# KiCad board gmsl-serializer.kicad_pcb (continued)
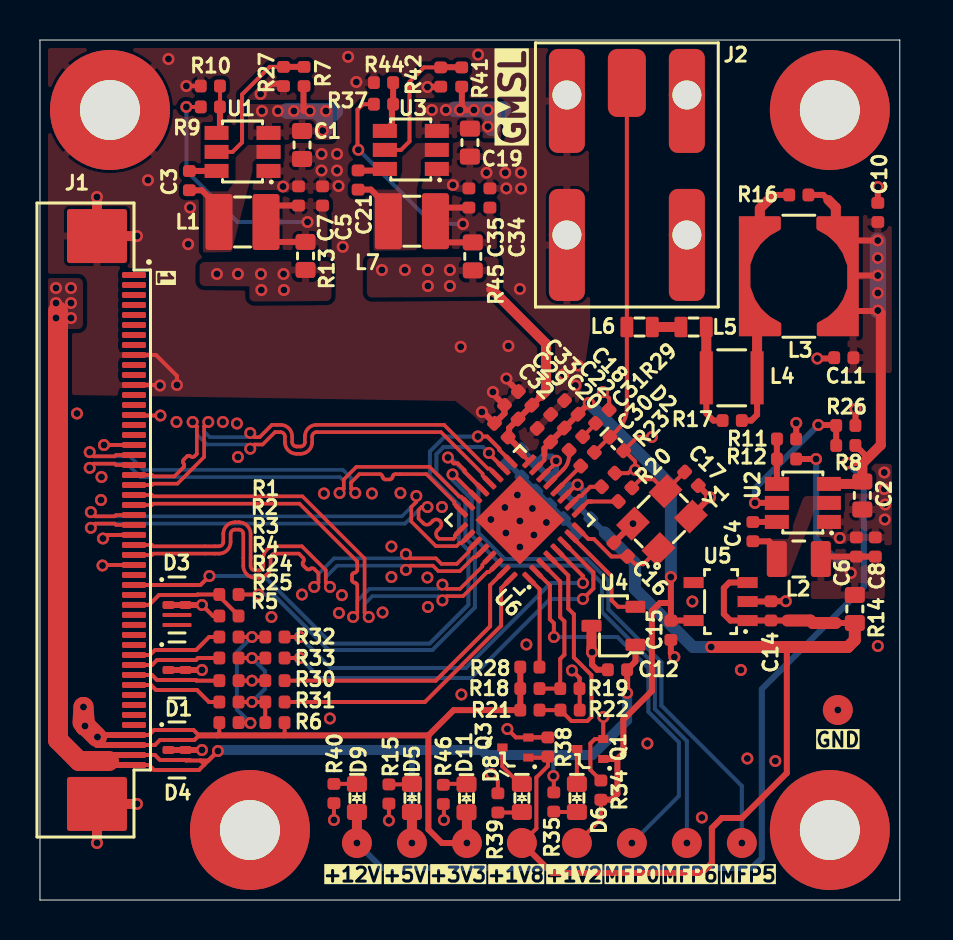
[diagram p0: board, top side]
## Library data of the parts (continued)
R29 = -: Datasheet: https://www.bourns.com/docs/product-datasheets/cr.pdf; Author: Antmicro; License: Apache-2.0; MPN: CR0402-FX-51R0GLF; Manufacturer: Bourns; Tolerance: 1%; Val: 51R; Field10: Author: Antmicro; Field11: License: Apache-2.0
R30 R33 = -: Datasheet: https://industrial.panasonic.com/cdbs/www-data/pdf/RDA0000/AOA0000C301.pdf; Author: Antmicro; Current: 1A; License: Apache-2.0; MPN: ERJ2GE0R00X; Manufacturer: Panasonic; Val: 0R; Field11: Author: Antmicro; Field13: License: Apache-2.0
R31 = -: Datasheet: https://industrial.panasonic.com/cdbs/www-data/pdf/RDA0000/AOA0000C301.pdf; Author: Antmicro; Current: 1A; License: Apache-2.0; MPN: ERJ2GE0R00X; Manufacturer: Panasonic; Val: 0R; Field11: License: Apache-2.0; Field13: Author: Antmicro
R32 = -: Datasheet: https://industrial.panasonic.com/cdbs/www-data/pdf/RDA0000/AOA0000C301.pdf; Author: Antmicro; Current: 1A; License: Apache-2.0; MPN: ERJ2GE0R00X; Manufacturer: Panasonic; Val: 0R; Field12: Author: Antmicro; Field13: License: Apache-2.0
R34 = -: Datasheet: https://www.bourns.com/docs/product-datasheets/cr.pdf; Author: Antmicro; License: Apache-2.0; MPN: CR0402-FX-1003GLF; Manufacturer: Bourns; Tolerance: 1%; Val: 100k; Field10: License: Apache-2.0; Field11: Author: Antmicro
R35 = -: Datasheet: https://www.bourns.com/docs/product-datasheets/cr.pdf; Author: Antmicro; License: Apache-2.0; MPN: CR0402-FX-4700GLF; Manufacturer: Bourns; Tolerance: 1%; Val: 470R; Field10: License: Apache-2.0; Field12: Author: Antmicro
R37 = -: Datasheet: https://www.bourns.com/docs/product-datasheets/cr.pdf; Description: SMD Chip Resistor; MPN: CR0402-FX-3162GLF; Manufacturer: Bourns; License: Apache-2.0; Author: Antmicro; Val: 31k6; Tolerance: 1%; Field10: Author: Antmicro; Field12: License: Apache-2.0
R38 = -: Datasheet: https://www.bourns.com/docs/product-datasheets/cr.pdf; Author: Antmicro; License: Apache-2.0; MPN: CR0402-FX-1003GLF; Manufacturer: Bourns; Tolerance: 1%; Val: 100k; Field10: Author: Antmicro; Field12: License: Apache-2.0
R39 = -: Datasheet: https://www.bourns.com/docs/product-datasheets/cr.pdf; Author: Antmicro; License: Apache-2.0; MPN: CR0402-FX-4700GLF; Manufacturer: Bourns; Tolerance: 1%; Val: 470R; Field10: Author: Antmicro; Field11: License: Apache-2.0
R40 = -: Datasheet: https://www.farnell.com/datasheets/3795017.pdf; Author: Antmicro; License: Apache-2.0; MPN: RC0402FR-071K65L; Manufacturer: YAGEO; Tolerance: 1%; Val: 1k65; Field11: License: Apache-2.0; Field13: Author: Antmicro
R41 = -: Datasheet: https://www.bourns.com/docs/product-datasheets/cr.pdf; MPN: CR0402-FX-1002GLF; Manufacturer: Bourns; License: Apache-2.0; Author: Antmicro; Val: 10k; Tolerance: 1%; Field10: License: Apache-2.0; Field11: Author: Antmicro
R42 = -: Datasheet: https://www.bourns.com/docs/product-datasheets/cr.pdf; MPN: CR0402-FX-1002GLF; Manufacturer: Bourns; License: Apache-2.0; Author: Antmicro; Val: 10k; Tolerance: 1%; Field10: License: Apache-2.0; Field12: Author: Antmicro
R44 = -: Datasheet: https://www.bourns.com/docs/product-datasheets/cr.pdf; MPN: CR0402-FX-1002GLF; Manufacturer: Bourns; License: Apache-2.0; Author: Antmicro; Val: 10k; Tolerance: 1%; Field11: License: Apache-2.0; Field12: Author: Antmicro
R45 = -: Datasheet: https://fscdn.rohm.com/en/products/databook/datasheet/passive/resistor/chip_resistor/pmr-jpw-e.pdf; MPN: PMR03EZPJ000; Manufacturer: ROHM Semiconductor; Val: 0R; Max. Curr.: 22.4A; Author: Antmicro; License: Apache-2.0; Tolerance: template_tolerance; Field11: Author: Antmicro; Field13: License: Apache-2.0
R46 = -: Datasheet: https://www.bourns.com/docs/product-datasheets/cr.pdf; MPN: CR0402-FX-2000GLF; Manufacturer: Bourns; License: Apache-2.0; Author: Antmicro; Val: 200R; Tolerance: 1%; Field12: Author: Antmicro; Field13: License: Apache-2.0
TP1 TP5 = -: Author: Antmicro; License: Apache-2.0; Field8: License: Apache-2.0; Field10: Author: Antmicro
TP2 TP9 = -: Author: Antmicro; License: Apache-2.0; Field8: Author: Antmicro; Field10: License: Apache-2.0
TP3 TP6 = -: Author: Antmicro; License: Apache-2.0; Field8: License: Apache-2.0; Field9: Author: Antmicro
TP4 = -: Author: Antmicro; License: Apache-2.0; Field9: License: Apache-2.0; Field10: Author: Antmicro
TP7 = -: Author: Antmicro; License: Apache-2.0; Field8: Author: Antmicro; Field9: License: Apache-2.0
TP8 = -: Author: Antmicro; License: Apache-2.0; Field9: Author: Antmicro; Field10: License: Apache-2.0
U1 = -: Datasheet: https://www.diodes.com/assets/Datasheets/AP62300_AP62301_AP62300T.pdf; Author: Antmicro; License: Apache-2.0; MPN: AP62301WU-7; Manufacturer: Diodes Incorporated; Field8: License: Apache-2.0; Field9: Author: Antmicro
U2 = -: Datasheet: https://www.diodes.com/assets/Datasheets/AP62300_AP62301_AP62300T.pdf; Author: Antmicro; License: Apache-2.0; MPN: AP62301WU-7; Manufacturer: Diodes Incorporated; Field9: License: Apache-2.0; Field10: Author: Antmicro
U3 = -: Datasheet: https://www.diodes.com/assets/Datasheets/AP62300_AP62301_AP62300T.pdf; MPN: AP62301WU-7; Manufacturer: Diodes Incorporated; Author: Antmicro; License: Apache-2.0; Field8: License: Apache-2.0; Field10: Author: Antmicro
U4 = -: Datasheet: https://www.ti.com/lit/gpn/REF3012; Author: Antmicro; License: Apache-2.0; Manufacturer: Texas Instruments; Field9: License: Apache-2.0; Field10: Author: Antmicro
U5 = -: Datasheet: https://www.ti.com/lit/ds/symlink/tlv733p.pdf?HQS=dis-mous-null-mousermode-dsf-pf-null-wwe&ts=1676978230940&ref_url=https%253A%252F%252Fwww.mouser.com%252F; Author: Antmicro; License: Apache-2.0; Manufacturer: Texas Instruments; Field8: Author: Antmicro; Field10: License: Apache-2.0
U6 = -: Datasheet: https://www.analog.com/media/en/technical-documentation/data-sheets/max96717.pdf; Author: Antmicro; License: Apache-2.0; MPN: MAX96717GTJ/VY+; Manufacturer: Analog Devices; Field8: Author: Antmicro; Field9: License: Apache-2.0
Y1 = -: Datasheet: https://abracon.com/Resonators/ABM8G.pdf; Author: Antmicro; License: Apache-2.0; MPN: ABM8G-25.000MHZ-18-D2Y-T3; Manufacturer: Abracon; Val: 25 MHz; Field9: Author: Antmicro; Field11: License: Apache-2.0

## Footprints (pads in the part's own frame, mm; a bottom-side part is the same pattern mirrored in y, then rotated)
C_0402_1005Metric
  rrect 0.59x0.64 smd: 1(-0.48,0) 2(0.48,0)
C_0603_1608Metric
  rrect 0.8x1 smd: 1(-0.7,0) 2(0.7,0)
Conn_FAKRA_59S2AQ-40MT5-Z_1
  rrect 1.9x3.4 smd: 1(0,0)
  round 1.8 hole 1.45: 2(-3,-0.6) 3(-3,-7.6) 4(3,-7.6) 5(3,-0.6)
  rrect 1.8x5.2 smd: 2(-3,-0.9) 5(3,-0.9)
  rrect 1.8x5.6 smd: 3(-3,-8.1) 4(3,-8.1)
Conn_FFC_WE_68715014x22
  rrect 0.3x1.2 smd: 1(-12.25,2.15) 2(-11.75,2.15) 3(-11.25,2.15) 4(-10.75,2.15) 5(-10.25,2.15) 6(-9.75,2.15) 7(-9.25,2.15) 8(-8.75,2.15) 9(-8.25,2.15) 10(-7.75,2.15) 11(-7.25,2.15) 12(-6.75,2.15) 13(-6.25,2.15) 14(-5.75,2.15) 15(-5.25,2.15) 16(-4.75,2.15) 17(-4.25,2.15) 18(-3.75,2.15) 19(-3.25,2.15) 20(-2.75,2.15) 21(-2.25,2.15) 22(-1.75,2.15) 23(-1.25,2.15) 24(-0.75,2.15) 25(-0.25,2.15) 26(0.248,2.15) 27(0.748,2.15) 28(1.249,2.15) 29(1.749,2.15) 30(2.249,2.15) 31(2.749,2.15) 32(3.249,2.15) 33(3.749,2.15) 34(4.248,2.15) 35(4.748,2.15) 36(5.248,2.15) 37(5.749,2.15) 38(6.249,2.15) 39(6.749,2.15) 40(7.249,2.15) 41(7.749,2.15) 42(8.249,2.15) 43(8.749,2.15) 44(9.249,2.15) 45(9.749,2.15) 46(10.249,2.15) 47(10.749,2.15) 48(11.249,2.15) 49(11.749,2.15) 50(12.249,2.15)
  rrect 2.7x3 smd: MP1(-14.198,0.3) MP2(14.198,0.3)
D_0402_1005Metric
  rrect 0.59x0.64 smd: 1(-0.48,0) 2(0.48,0)
DFN-10_2.5x1mm
  rrect 0.6x0.2 smd: 1(-0.425,1) 2(-0.425,0.5) 4(-0.425,-0.5) 5(-0.425,-1) 6(0.425,-1) 7(0.425,-0.5) 9(0.425,0.5) 10(0.425,1)
  rrect 0.6x0.4 smd: 3(-0.425,0) 8(0.425,0)
L_0806_2016Metric
  rrect 1x1.8 smd: 1(-1.1,0.001) 2(1.1,0.001)
L_Bourns-SRP3212A
  rrect 1.35x2.8 smd: 1(-1.175,0) 2(1.175,0)
L_Coilcraft-1210POC
  rect 0.65x2.65 smd: 1(-1.27,0) 2(1.27,0)
L_Coilcraft-MSS6132T
  custom 2.119x6 smd: 1(-2.71,0) 2(2.71,0)
L_Coilcraft-PFL1609
  rrect 0.64x1.02 smd: 1(-0.635,0) 2(0.635,0)
LED_0603_1608Metric_G
  rrect 0.8x1 smd: 1(-0.7,0) 2(0.7,0)
MP_Pad6mm_Drill3mm
  round 6 hole 3: 1(0,0)
R_0402_1005Metric
  rrect 0.59x0.64 smd: 1(-0.48,0) 2(0.48,0)
R_0603_1608Metric
  rrect 0.8x1 smd: 1(-0.7,0) 2(0.7,0)
Resonator_SMD_Abracon_ABM8G_3.2x2.5mm
  rrect 1.3x1.1 smd: 1(-1.101,-0.949)
  rect 1.3x1.1 smd: 2(1.199,-0.949) 3(1.199,0.85) 4(-1.101,0.85)
SOT-23-3
  rrect 1x0.6 smd: 1(-1.1,0.951) 2(-1.1,-0.949) 3(1.1,0.001)
SOT-23-5
  rect 1x0.55 smd: 1(-1.351,0.951) 2(-1.351,0) 3(-1.351,-0.949) 4(1.35,-0.949) 5(1.35,0.951)
SOT-523
  rect 0.4x0.51 smd: 1(-0.5,-0.65) 2(0.498,-0.65) 3(0,0.652)
TP_SMD_1.5mm
  round 1.5 smd: 1(0,0)
TQFN-32-1EP_5x5mm_P0.5mm
  rrect 0.813x0.254 smd: 1(-2.4,1.75) 2(-2.4,1.25) 3(-2.4,0.75) 4(-2.4,0.25) 5(-2.4,-0.25) 6(-2.4,-0.75) 7(-2.4,-1.25) 8(-2.4,-1.75) 17(2.4,-1.75) 18(2.4,-1.25) 19(2.4,-0.75) 20(2.4,-0.25) 21(2.4,0.25) 22(2.4,0.75) 23(2.4,1.25) 24(2.4,1.75)
  rrect 0.254x0.813 smd: 9(-1.75,-2.4) 10(-1.25,-2.4) 11(-0.75,-2.4) 12(-0.25,-2.4) 13(0.25,-2.4) 14(0.75,-2.4) 15(1.25,-2.4) 16(1.75,-2.4) 25(1.75,2.4) 26(1.25,2.4) 27(0.75,2.4) 28(0.25,2.4) 29(-0.25,2.4) 30(-0.75,2.4) 31(-1.25,2.4) 32(-1.75,2.4)
  rect 3.15x3.15 smd: 33(0,0)
TSOT23-6
  rect 1.2x0.7 smd: 1(-1.301,0.947) 2(-1.301,-0.004) 3(-1.301,-0.954) 4(1.299,-0.954) 5(1.299,-0.004) 6(1.299,0.947)

## Nets
+1V2: C15.2 C18.2 C20.2 C22.2 Q1.1 R34.2 TP5.1 U5.5 U6.15
+1V8: C14.2 C25.2 C27.2 C28.2 Q3.1 R14.2 R38.2 TP2.1 U5.1 U5.3 U6.11
+3V3: C29.2 C32.2 C33.2 D4.1 D4.2 D4.9 D4.10 D11.2 J1.47 J1.48 R5.2 R6.2 R18.2 R21.2 R28.2 R45.2 TP4.1 U6.16
+5V: C12.2 D4.4 D4.5 D4.6 D4.7 D5.2 J1.49 J1.50 R13.2 R35.2 R39.2 TP1.1 U4.1
+12V: C1.2 C2.2 C10.2 C11.2 C19.2 D9.2 L3.1 R7.2 R8.2 R16.1 R41.2 TP3.1 U1.3 U2.3 U3.3
GND: C1.1 C2.1 C5.1 C6.1 C7.1 C8.1 C10.1 C11.1 C12.1 C14.1 C15.1 C16.1 C17.1 C18.1 C19.1 C20.1 C22.1 C23.1 C24.1 C25.1 C26.1 C27.1 C28.1 C29.1 C32.1 C33.1 C34.1 C35.1 D1.3 D1.8 D2.2 D3.3 D3.8 D4.3 D4.8 J1.9 J1.12 J1.15 J1.18 J1.27 J1.30 J1.MP1 J1.MP2 J2.2 J2.3 J2.4 J2.5 MP1.1 MP2.1 MP3.1 MP4.1 Q1.2 Q3.2 R2.2 R10.1 R12.1 R15.1 R19.1 R22.1 R23.1 R26.1 R27.1 R29.1 R34.1 R38.1 R40.1 R42.1 R44.1 R46.1 TP9.1 U1.1 U2.1 U3.1 U4.3 U5.2 U6.33 Y1.2 Y1.4
/CSI Connector/CSI.CLK_N: J1.28 U6.28
/CSI Connector/CSI.CLK_P: J1.29 U6.27
/CSI Connector/CSI.D0_N: J1.25 U6.26
/CSI Connector/CSI.D0_P: J1.26 U6.25
/CSI Connector/CSI.D1_N: J1.23 U6.30
/CSI Connector/CSI.D1_P: J1.24 U6.29
/CSI Connector/CSI.D2_N: J1.21 U6.20
/CSI Connector/CSI.D2_P: J1.22 U6.19
/CSI Connector/CSI.D3_N: J1.19 U6.24
/CSI Connector/CSI.D3_P: J1.20 U6.23
/CSI Connector/GPIO3: D3.1 D3.10 J1.32 U6.17
/CSI Connector/GPIO4: R1.2 U6.18
/CSI Connector/GPIO4_1V8: D3.2 D3.9 J1.34 R1.1 R2.1
/CSI Connector/I2C.SCL: R4.2 R6.1 R25.2 R31.1 R33.1
/CSI Connector/I2C.SDA: R3.2 R5.1 R24.2 R30.1 R32.1
/CSI Connector/SCL_CAM0: D1.2 D1.9 J1.40 R4.1
/CSI Connector/SCL_CAM1: D1.5 D1.6 J1.42 R25.1
/CSI Connector/SDA_CAM0: D1.1 D1.10 J1.39 R3.1
/CSI Connector/SDA_CAM1: D1.4 D1.7 J1.41 R24.1
/GMSL Connector/SIO_P: C30.2 D2.1 J2.1 L6.2
/Serializer/CFG0: R18.1 R19.2 U6.3
/Serializer/CFG1: R21.1 R22.2 U6.4
/Serializer/VREF: U4.2 U6.7
/Serializer/X1: C16.2 U6.8 Y1.1
/Serializer/X2: R20.2 U6.9
/Serializer/X2_R: C17.2 R20.1 Y1.3
/Supply/EN_1V8: R8.1 R26.2 U2.5
/Supply/EN_3V3: R41.1 R42.2 U3.5
/Supply/EN_5V: R7.1 R27.2 U1.5
/Supply/FB_1V8: R11.1 R12.2 U2.4
/Supply/FB_3V3: R37.1 R44.2 U3.4
/Supply/FB_5V: R9.1 R10.2 U1.4
/Supply/OUT_1V8: C6.2 C8.2 L2.2 R11.2 R14.1
/Supply/OUT_3V3: C34.2 C35.2 L7.2 R37.2 R45.1
/Supply/OUT_5V: C5.2 C7.2 L1.2 R9.2 R13.1
/Supply/SW_1V8: C4.2 L2.1 U2.2
/Supply/SW_3V3: C21.2 L7.1 U3.2
/Supply/SW_5V: C3.2 L1.1 U1.2
Net-(C31-Pad2): C31.2 R29.2
Net-(D5-C): D5.1 R15.2
Net-(D6-A): D6.2 R35.1
Net-(D6-C): D6.1 Q1.3
Net-(D8-A): D8.2 R39.1
Net-(D8-C): D8.1 Q3.3
Net-(D9-C): D9.1 R40.2
Net-(D11-C): D11.1 R46.2
Net-(L3-Pad2): L3.2 L4.1 R16.2 R17.1
Net-(L4-Pad2): L4.2 L5.1 R17.2
Net-(L5-Pad2): L5.2 L6.1
Net-(U1-BST): C3.1 U1.6
Net-(U2-BST): C4.1 U2.6
Net-(U3-BST): C21.1 U3.6
Net-(U6-CAP_VDD): C23.2 C24.2 C26.2 U6.14
Net-(U6-MFP0): TP6.1 U6.2
Net-(U6-MFP5): TP7.1 U6.21
Net-(U6-MFP6): TP8.1 U6.22
Net-(U6-MFP7): R30.2 U6.31
Net-(U6-MFP8): R31.2 U6.32
Net-(U6-MFP9): R32.2 U6.5
Net-(U6-MFP10): R33.2 U6.6
Net-(U6-PWDNB): R28.1 U6.1
Net-(U6-SION): C31.1 U6.13
Net-(U6-SIOP): C30.1 U6.12
Net-(U6-XRES): R23.2 U6.10

Pads without a net: D3 4 5 6 7; J1 1 2 3 4 5 6 7 8 10 11 13 14 16 17 31 33 35 36 37 38 43 44 45 46; U5 4

## Via types
v1: diameter 0.6, hole 0.35, Top to Bottom, 206 vias

## Routing (per net, layer and track width the routed paths; a pad name or vN(x,y) marks a point on that pad's centre or on a via; arc(x,y) is an arc through that point)
+1V2: length 33.4
  Top w0.2: 25.22,22.25 25.22,21.99 24.81,21.58 U6.15 ; TP5.1 28.05,4.05 R34.2
  Top w0.3: v1(31.55,16.15) 31.55,14.85 ; 31.55,14.85 31.55,13.97 U5.5 ; 31.55,14.85 31,14.85 30.6,14.45 30.6,10.45 29.17,9.02 29.17,7.35 28.88,7.05 ; v1(27.45,24.85) 27.45,24.83 C18.2 ; R34.2 28.59,5.02 28.88,5.3 28.88,7.05 ; 28.88,7.05 Q1.1 ; 25.54,22.9 25.22,22.58 25.22,22.25 ; 25.54,22.92 26.91,24.29
  Top w0.6: v1(27.45,24.85) 27.45,24.83
  Bottom w0.3: 31.55,16.2 v1(31.55,16.15)
  Bottom w0.6: v1(27.45,24.85) 31.55,20.75 31.55,16.2
+1V8: length 61
  Top w0.2: Q3.1 25.41,7.12 25.41,6.7 24.82,6.12 24.82,3.57 TP2.1 ; U6.11 26.83,20.77 v1(26.88,20.77)
  Top w0.3: R14.2 39.8,13.85 ; U5.3 34.47,15.87 34.2,15.6 34.2,14.3 34.53,13.97 U5.1 37.38,13.97 ; TP2.1 25.6,1.35 33.1,1.35 33.6,1.85 33.6,3.6 34.1,4.1 35.1,4.1 37.35,6.35 37.35,12.65
  Top w0.6: R14.2 40.75,13 40.4,12.65 v1(33.57,12.65) ; 37.38,13.97 38.53,13.97 38.65,13.85 39.8,13.85
  Bottom w0.3: C28.2 C27.2 26.5,20.77 v1(26.88,20.77) 27.2,20.45 27.2,20.09 C28.2 ; C28.2 C25.2 28.23,18.38 28.25,18.38
  Bottom w0.6: 28.25,18.38 28.25,18.36 29.75,16.86 29.75,15.55 32.65,12.65 v1(33.57,12.65)
+3V3: length 52.5
  Top w0.2: 8.85,8.23 8.97,8.34 8.97,8.87 ; 12.18,8.23 12.23,8.28 12.23,8.87 ; 4.7,7.75 5.75,7.75 6,8 D4.2 D4.9 7.72,8 7.95,8.23 7.68,8.5 D4.10 D4.1 5.7,8.5 5.45,8.25 4.7,8.25 ; U6.16 24.18,22.21
  Top w0.3: 7.95,8.23 19.42,8.23 ; 20.79,2.85 20.1,2.85 19.42,3.52 19.42,8.23 ; R28.2 R21.2 20.69,9.49 19.42,8.23 ; 24.18,22.21 23.95,22.44 23.95,22.6 23.46,23.1 23.46,23.6 25.07,25.21 ; 4.7,8.25 2.95,8.25 2.88,8.17 v1(2.88,8.15) 2.85,8.15 2.85,7.75 4.7,7.75
  Top w0.5: 22.57,30.54 22.58,30.54 25.31,27.81 25.31,25.45 25.07,25.21 ; 21.35,4.4 v1(21.35,2.85)
  Top w1: 2.85,8.15 2.3,8.7 v1(2.25,8.7) 2.25,8.75 v1(2.17,9.65) 2.12,8.88
  vias: v1(17.1,31.5) v1(18.25,31.5) v1(19.4,31.5) v1(19.4,30.7) v1(20.5,31.5) v1(20.5,30.7)
+5V: length 71.8
  Top w0.2: 8.03,6.97 7.3,6.97 D4.7 D4.4 6,7 5.75,7.25 4.7,7.25 ; 8.03,6.97 8.21,6.79 8.21,6.76 ; 8.03,6.97 8.42,6.97 v1(8.9,7.45) 8.21,6.76 ; 4.7,6.75 5.45,6.75 5.7,6.5 D4.5 D4.6 7.95,6.5 8.21,6.76 ; R39.2 22.9,5.97 v1(22.57,6.3) ; R35.2 25.69,6.18 v1(25.67,6.2)
  Top w0.3: 4.7,7.25 3.35,7.25 ; v1(29.36,10.35) 29.36,11.51 C12.2 29.78,11.93 U4.1 ; 4.7,6.75 3.45,6.75
  Top w0.5: D5.2 v1(18.6,2.85)
  Top w1: 0.9,29.45 0.9,8 1.95,6.95 3.45,6.95
  Bottom w0.2: 25.78,7.25 25.67,7.15 v1(25.67,6.2) ; 22.35,7.25 22.35,6.52 v1(22.57,6.3)
  Bottom w0.3: v1(18.6,2.85) 18.6,7.25
  Bottom w0.5: v1(29.36,10.35) 29.36,8.99 27.62,7.25 22.35,7.25 22.1,7.5 8.95,7.5 v1(8.9,7.45)
  vias: v1(0.8,30.6) v1(0.8,29.85) v1(0.8,29.1) v1(1.55,30.6) v1(1.55,29.85) v1(1.55,29.1) v1(8.85,31.3) v1(9.9,31.3) v1(11.05,31.3) v1(11.07,30.5) v1(12.18,31.3) v1(12.2,30.5)
+12V: length 82.1
  Top w0.3: 21.31,39.49 21.1,39.7 21.1,40.68 ; L3.1 40.7,31.22 v1(41.9,31.22) ; 13.18,40.81 13.18,39.45 ; 41.88,29.45 40.67,29.45 ; 41.9,32.97 40.7,32.97 ; v1(40.38,21.85) 41.1,21.85 41.12,21.82 ; 39.43,35 39.17,35.25 R16.1 ; 42.03,22.72 41.41,22.1 40.78,22.72
  Top w0.5: 40.88,20.88 40.8,20.8 U2.3 ; L3.1 40.66,32.89 39.8,33.75 39.8,34.63 39.43,35 ; v1(41.9,29.47) 42.05,29.32 42.05,22.75 41.12,21.82 C2.2 ; D9.2 v1(15.85,2.85)
  Bottom w0.3: v1(15.85,2.85) 17.1,1.6 35.6,1.6 36.1,2.1 36.1,10.55 41.2,15.65 41.2,21.02 v1(40.38,21.85)
  Bottom w0.8: 22.61,38.98 23.16,39.53 20.76,39.53 ; 22.39,39.38 22.51,39.51 22.59,39.51 22.61,39.48 22.61,38.58 ; 12.35,39.45 14.75,39.45 14.2,38.9 14.2,38.5 14.2,39.4 14.18,39.42 14.1,39.42 13.98,39.3 ; v1(41.9,32.97) v1(41.9,29.47)
  vias: v1(11.1,39.45) v1(11.9,39.45) v1(12.7,39.45) v1(13.5,39.45) v1(14.14,38.47) v1(14.3,39.45) v1(19.6,39.5) v1(20.3,39.5) v1(21,39.5) v1(21.7,39.5) v1(22.4,39.5) v1(22.4,38.67) v1(41.9,32.1) v1(41.9,30.35)
GND: length 66.2
  Top w0.2: R15.1 v1(17.45,3.97) ; 3.92,18.25 3.93,18.25 J1.27 ; 3.92,18.25 3.32,18.25 v1(3.15,18.07) ; 3.92,18.25 4.03,18.25 ; v1(3.2,22.75) J1.18 ; v1(7.32,40.7) 8.03,40.7 ; v1(14.7,4) 14.7,4.62 ; J1.12 5.97,25.75 v1(6,25.72) ; v1(3.12,16.72) 3.15,16.75 4.7,16.75 ; R34.1 27.53,6.5 27.53,7.82 27.75,8.05 Q1.2 28.17,9.14 v1(28.17,9.15) ; v1(8.1,14.75) 8.65,14.2 8.97,14.2 ; R19.1 26.98,11.1 v1(26.6,11.48) 26.99,11.09 R22.1 ; 20.2,4.84 v1(20.2,4) ; J1.9 5.8,27.25 6.85,26.2 v1(6.85,25.75) ; v1(30.6,23.15) 29.88,23.15 29.21,22.49 29.76,21.94 v1(29.76,21.51) 29.59,21.51 29.42,21.34 R23.1 ; v1(6.03,24.22) 4.72,24.22 ; R29.1 28.46,25.09 v1(28.15,25.4) ; v1(23.38,8.55) 23.79,8.13 25.45,8.13 24.43,8.13 24.42,8.12
  Top w0.3: v1(23.32,26.07) 23.32,26.02 23.92,25.42 ; 22.78,23.78 22.16,24.4 v1(22.1,24.4) ; 31.55,13 31.55,12.32 v1(31.72,12.15) ; C16.1 28.7,17.86 v1(29.66,18.82) ; v1(27.61,12.39) 27.61,11.77 27.86,11.51 C12.1 ; 23.23,24.73 22.65,25.31 v1(22.65,25.4) ; v1(8.1,11.5) 8.1,11.5 D1.3 ; R42.1 20.02,40.65 v1(19.38,40.65) ; v1(11.03,40.3) 11.54,40.81 12.18,40.81 ; 39.69,27.29 39.48,27.07 v1(38.88,27.07) ; v1(37.82,23.85) 37.82,23.05 ; 32.55,19.17 v1(33.51,20.13) 32.92,20.72 ; D4.3 v1(8.1,7.5) ; D3.3 v1(8.1,14.75) ; v1(40.78,24.55) 40.78,23.72 ; U5.2 36.54,14.92 ; 36.56,14.94 v1(37.3,14.94) ; C32.1 23.23,24.33 C29.1 ; v1(41.9,35.65) 41.9,34.86
  Top w0.5: 27.58,12.33 U4.3 ; v1(2.85,2.85) J1.MP2 v1(4.85,4.8) ; v1(2.85,35.15) J1.MP1 v1(4.85,33.2)
  Bottom w0.3: C26.1 C24.1 C23.1 C27.1 C28.1 C25.1
  vias: v1(1.85,24.32) v1(3.07,21.15) v1(3.05,20) v1(5.4,35.99) v1(6.42,42.05) v1(6.82,23.9) v1(7.41,32.79) v1(7.5,34.62) v1(9.14,23.9) v1(9.85,23.82) v1(9.9,22.15) v1(11.57,14.15) v1(12.16,35.67) v1(13.1,15.27) v1(14.08,37.3) v1(14.08,36.47) v1(14.2,20.32) v1(14.5,9.07) v1(14.85,37.3) v1(14.85,36.47) v1(14.93,35.7) v1(14.95,14.35) v1(15.1,15.24) v1(15.14,32.66) v1(15.41,42.16) v1(15.82,40.9) v1(16.6,20.32) v1(17.13,14.38) v1(17.57,17.67) v1(17.57,16.15) v1(18.03,20.35) v1(19.38,16.12) v1(19.4,14.65) v1(20.1,19.65) v1(20.65,35.75) v1(21.04,27.66) v1(21.07,10.27) v1(21.91,42.27) v1(22.33,36.36) v1(22.55,19.02) v1(23.27,36.36) v1(23.25,19.62) v1(23.3,18.35) v1(23.32,35.58) v1(23.42,27.7) v1(23.88,20.25) v1(24.05,36.37) v1(24.06,35.57) v1(24,30.55) v1(24,18.95) v1(24,17.65) v1(24.32,12.77) v1(24.62,19.57) v1(24.7,18.25) v1(25.32,18.88) v1(26.17,26.27) v1(26.78,25.72) v1(26.9,26.72) v1(30.38,7.82) v1(32.62,14.92) v1(33.1,4.12) v1(35.05,11.5) v1(35.38,7.07) v1(36.78,6.95) v1(39.9,9.5) v1(40,18.1) v1(41.9,12.7) v1(42.22,21.38) v1(42.22,20.55) v1(42.28,19.77) v1(42.25,19.02)
/CSI Connector/CSI.CLK_N: length 24.2
  Top w0.18: U6.28 21.78,17.14 21.69,17.14 20.99,16.44 19.92,16.44 19.65,16.72 18.51,16.72 v1(18.3,16.51) ; 4.7,17.75 5.6,17.75 5.67,17.68 8.95,17.68 arc(9.1,17.75) 9.17,17.9 9.17,18.3 arc(9.34,18.72) 9.75,18.89 9.95,18.89 arc(10.36,18.72) 10.53,18.3 10.53,16.7 arc(10.6,16.54) 10.75,16.48 10.95,16.48 arc(11.1,16.54) 11.17,16.7 11.17,17.1 arc(11.34,17.51) 11.75,17.68 13.1,17.68 14.29,16.49 14.29,15.86 v1(14.5,15.65)
  Bottom w0.18: v1(18.3,16.51) 18.09,16.72 14.86,16.72 14.29,16.15 14.29,15.86 v1(14.5,15.65)
/CSI Connector/CSI.CLK_P: length 24.2
  Top w0.18: v1(18.3,17.29) 18.51,17.08 19.8,17.08 20.08,16.81 20.84,16.81 21.44,17.41 21.44,17.5 U6.27 ; v1(13.72,15.65) 13.93,15.86 13.93,16.34 13.71,16.56 arc(13.61,16.6) 13.52,16.56 arc(13.43,16.52) 13.33,16.56 13.17,16.72 arc(13.13,16.82) 13.17,16.91 arc(13.21,17.01) 13.17,17.1 12.95,17.32 11.75,17.32 arc(11.6,17.25) 11.53,17.1 11.53,16.7 arc(11.36,16.29) 10.95,16.12 10.75,16.12 arc(10.34,16.29) 10.17,16.7 10.17,18.3 arc(10.1,18.46) 9.95,18.52 9.75,18.52 arc(9.6,18.46) 9.53,18.3 9.53,17.9 arc(9.36,17.49) 8.95,17.32 5.67,17.32 5.6,17.25 4.7,17.25
  Bottom w0.18: v1(13.72,15.65) 13.93,15.86 13.93,16.3 14.71,17.08 18.09,17.08 v1(18.3,17.29)
/CSI Connector/CSI.D0_N: length 24.2
  Top w0.18: v1(18.82,20.2) 18.82,19.91 18.57,19.65 18.57,18.92 19.8,17.69 20.83,17.69 20.99,17.86 21.09,17.86 U6.26 ; v1(2.54,19.39) 2.75,19.18 3.73,19.18 3.8,19.25 J1.25
  Bottom w0.18: v1(18.82,20.2) 18.82,19.91 18.1,19.18 2.75,19.18 v1(2.54,19.39)
/CSI Connector/CSI.D0_P: length 24.2
  Top w0.18: J1.26 3.8,18.75 3.73,18.82 2.75,18.82 v1(2.54,18.61) ; U6.25 20.75,18.22 20.75,18.13 20.68,18.06 19.95,18.06 19.88,18.13 arc(19.81,18.31) 19.88,18.48 20,18.6 arc(20.07,18.78) 20,18.96 arc(19.82,19.03) 19.64,18.96 19.53,18.84 arc(19.35,18.76) 19.17,18.84 18.93,19.08 18.93,19.5 19.08,19.65 v1(19.38,19.65)
  Bottom w0.18: v1(19.38,19.65) 19.08,19.65 18.25,18.82 2.75,18.82 v1(2.54,18.61)
/CSI Connector/CSI.D1_N: length 24.2
  Top w0.18: J1.23 5.6,20.25 5.67,20.18 13.13,20.18 16.23,17.08 16.23,14.36 v1(16.44,14.15) ; v1(20.12,14.98) 20.34,15.19 21.16,15.19 22.37,16.4 22.47,16.4 U6.30
  Bottom w0.18: v1(16.44,14.15) 16.23,14.36 16.23,14.8 16.63,15.19 19.91,15.19 v1(20.12,14.98)
/CSI Connector/CSI.D1_P: length 24.2
  Top w0.18: v1(15.66,14.15) 15.87,14.36 15.87,15.74 arc(15.83,15.83) 15.74,15.87 arc(15.64,15.91) 15.6,16 15.6,16.24 arc(15.64,16.33) 15.74,16.37 arc(15.83,16.41) 15.87,16.5 15.87,16.92 12.97,19.82 5.67,19.82 5.6,19.75 J1.24 ; v1(20.12,15.77) 20.34,15.56 21.01,15.56 22.12,16.68 22.12,16.77 U6.29
  Bottom w0.18: v1(20.12,15.77) 19.91,15.56 16.47,15.56 15.87,14.95 15.87,14.36 v1(15.66,14.15)
/CSI Connector/CSI.D2_N: length 24.2
  Top w0.18: v1(10.52,22.57) 10.73,22.78 11.13,22.78 11.75,23.39 12.03,23.39 arc(12.18,23.33) 12.25,23.17 12.25,22.89 arc(12.42,22.48) 12.83,22.31 13.03,22.31 arc(13.44,22.48) 13.61,22.89 13.61,23.17 arc(13.68,23.33) 13.83,23.39 20.06,23.39 22.14,21.31 22.14,21.22 U6.20 ; J1.21 5.6,21.25 5.67,21.18 6.72,21.18 7.18,21.64 arc(7.22,21.73) 7.18,21.83 arc(7.14,21.92) 7.18,22.01 7.35,22.18 arc(7.44,22.22) 7.53,22.18 arc(7.63,22.14) 7.72,22.18 7.84,22.3 7.84,23.69 v1(7.63,23.9)
  Bottom w0.18: v1(7.63,23.9) 7.84,23.69 7.84,23.27 8.34,22.78 10.31,22.78 v1(10.52,22.57)
/CSI Connector/CSI.D2_P: length 24.2
  Top w0.18: v1(8.42,23.9) 8.21,23.69 8.21,22.15 6.88,20.82 5.67,20.82 5.6,20.75 J1.22 ; U6.19 22.49,21.57 22.4,21.57 20.21,23.76 13.83,23.76 arc(13.42,23.59) 13.25,23.17 13.25,22.89 arc(13.18,22.74) 13.03,22.67 12.83,22.67 arc(12.68,22.74) 12.61,22.89 12.61,23.17 arc(12.44,23.59) 12.03,23.76 11.6,23.76 10.98,23.14 10.73,23.14 v1(10.52,23.35)
  Bottom w0.18: v1(8.42,23.9) 8.21,23.69 8.21,23.43 8.49,23.14 10.31,23.14 v1(10.52,23.35)
/CSI Connector/CSI.D3_N: length 24.2
  Top w0.18: v1(15.77,20.35) 15.56,20.56 15.56,20.87 15.98,21.29 17,21.29 arc(17.09,21.25) 17.13,21.16 arc(17.17,21.07) 17.26,21.03 17.5,21.03 arc(17.59,21.07) 17.63,21.16 arc(17.67,21.25) 17.76,21.29 19.33,21.29 20.72,19.9 20.72,19.8 U6.24 ; v1(2.49,22.39) 2.7,22.18 3.73,22.18 3.8,22.25 J1.19
  Bottom w0.18: v1(2.49,22.39) 2.7,22.18 4.5,22.18 5.18,21.51 15.15,21.51 15.56,21.1 15.56,20.56 v1(15.77,20.35)
/CSI Connector/CSI.D3_P: length 24.2
  Top w0.18: v1(14.98,20.35) 15.19,20.56 15.19,21.03 15.82,21.66 19.48,21.66 20.97,20.17 21.06,20.17 U6.23 ; v1(2.49,21.61) 2.7,21.82 3.73,21.82 3.8,21.75 J1.20
  Bottom w0.18: v1(14.98,20.35) 15.19,20.56 15.19,20.95 15,21.14 5.02,21.14 4.35,21.82 2.7,21.82 v1(2.49,21.61)
/CSI Connector/GPIO3: length 32.5
  Top w0.2: v1(21.9,23.17) 22.37,23.17 22.97,22.57 22.97,22.5 U6.17 ; 4.7,15.75 D3.10 8.03,15.75 v1(8.47,16.2)
  Bottom w0.2: v1(21.9,23.17) 20.25,23.17 19.5,22.43 19.5,21.21 20.95,19.76 20.95,17.96 21.42,17.48 21.42,14.76 19.49,12.82 14.57,12.82 11.2,16.2 v1(8.47,16.2)
/CSI Connector/GPIO4: length 26.3
  Top w0.2: v1(10.92,15.27) 10.92,15.28 R1.2 ; U6.18 22.45,22.32 v1(22.45,22.35)
  Bottom w0.2: v1(22.45,22.35) 22.15,22.65 20.18,22.65 19.82,22.29 19.82,21.34 21.28,19.89 21.28,18.09 21.75,17.62 21.75,14.62 19.62,12.5 14.44,12.5 11.67,15.27 v1(10.92,15.27)
/CSI Connector/GPIO4_1V8: length 5.9
  Top w0.2: 9.94,14.21 8.97,15.18 ; 8.97,15.28 7.88,15.28 7.86,15.25 D3.9 D3.2 5.95,15.25 5.45,14.75 J1.34
/CSI Connector/I2C.SCL: length 6.4
  Top w0.2: 11.26,8.87 11.26,9.9 9.94,9.9 ; 9.94,12.1 11.26,12.1
  Bottom w0.2: v1(10.6,12.1) 11.25,11.45 11.25,10.55 v1(10.6,9.9)
/CSI Connector/I2C.SDA: length 8.9
  Top w0.2: 9.94,13.15 11.26,13.15 ; v1(10.53,8.85) 10.5,8.87 9.94,8.87 ; 9.94,10.97 11.26,10.97
  Bottom w0.2: v1(10.6,10.97) 9.86,10.97 9.85,10.97 ; v1(10.6,13.15) 9.85,12.4 9.85,10.97 ; v1(10.53,8.85) 9.85,9.52 9.85,10.97
/CSI Connector/SCL_CAM0: length 4.4
  Top w0.2: 8.97,12.1 7.9,12.1 7.8,12 D1.9 D1.2 5.85,12 5.6,11.75 4.7,11.75
/CSI Connector/SCL_CAM1: length 4.6
  Top w0.2: 8.97,9.9 8.45,9.9 7.85,10.5 D1.6 D1.5 5.8,10.5 5.55,10.75 4.7,10.75
/CSI Connector/SDA_CAM0: length 4.6
  Top w0.2: 4.7,12.25 5.5,12.25 5.75,12.5 D1.1 D1.10 7.81,12.5 8.46,13.15 8.97,13.15
/CSI Connector/SDA_CAM1: length 4.4
  Top w0.2: 4.7,11.25 5.6,11.25 5.85,11 D1.4 D1.7 7.8,11 7.83,10.97 8.97,10.97
/GMSL Connector/SIO_P: length 19.1
  Top w0.2: J2.1 29.35,24.6 arc(29.24,24.03) 28.91,23.54 D2.1 28.48,23.14 C30.2
/Serializer/CFG0: length 7.8
  Top w0.2: 24.98,10.57 26.01,10.57 26.01,12.05 26.22,12.27 26.22,13.93 26.01,14.14 26.01,15.92 U6.3
/Serializer/CFG1: length 11.7
  Top w0.2: R21.1 R22.2 26.57,8.95 27.38,8.95 27.57,9.15 27.57,11.25 26.7,12.12 26.7,14.29 26.42,14.57 26.42,16.23 U6.4
/Serializer/VREF: length 5.4
  Top w0.2: U4.2 28.91,14.66 28.58,14.99 28.58,16.18 U6.7
/Serializer/X1: length 5
  Top w0.2: Y1.1 30.17,16.79 29.77,16.79 29.38,17.18 28.57,17.18 27.7,18.05 27.42,18.05 U6.8
/Serializer/X2: length 2.3
  Top w0.2: U6.9 27.4,19.92 27.57,19.92 ; 27.57,19.92 28.92,19.92 ; 27.57,19.92 27.42,19.92
/Serializer/X2_R: length 3.5
  Top w0.2: 32.24,21.4 Y1.3 30.69,21.04 30.03,21.04 29.6,20.61
/Supply/EN_1V8: length 8.2
  Top w0.3: v1(35.76,19.86) 36.85,19.86 ; R26.2 R8.1 ; v1(38.92,23.75) 39.79,23.75 39.81,23.72
  Bottom w0.3: v1(35.76,19.86) 35.76,20.58 v1(38.92,23.75)
/Supply/EN_3V3: length 7.3
  Top w0.2: U3.5 18.05,37.5 18.48,37.93 18.48,40.91 19.2,41.63 R42.2
  Top w0.3: 20.06,41.64 21.08,41.64
/Supply/EN_5V: length 7.5
  Top w0.2: R27.2 11.48,41.66 10.1,40.27 10.1,37.88 9.63,37.4 U1.5
  Top w0.3: R27.2 R7.1
/Supply/FB_1V8: length 2.2
  Top w0.3: 36.85,23.05 U2.4
/Supply/FB_3V3: length 2.6
  Top w0.3: U3.4 17.6,38.81 17.6,39.73 R37.1 R44.2
/Supply/FB_5V: length 2.4
  Top w0.2: 9,40.7 9,39.65
  Top w0.3: U1.4 9,38.52 R9.1
/Supply/OUT_1V8: length 10.1
  Top w0.3: 39.05,17.05 39.17,17.17 41.65,17.17 ; v1(38.81,22.05) 37.82,22.05
  Bottom w0.3: v1(40.55,16.35) 40.53,16.35 38.82,18.05 38.82,22.04 v1(38.81,22.05)
